# Altium PCB 2014_FDP_PCB.PcbDoc (part 1 of 4)
Units mil, origin at the board's own origin, x right, y up, seen from the top; angles counter-clockwise.
Board outline 4330.71 x 10236.22 mil, 4 copper layers (1-TOP, 2-GND, 3-SIGNAL, 4-BOT); 394 components, 292 nets, 1439 pads, 525 vias.
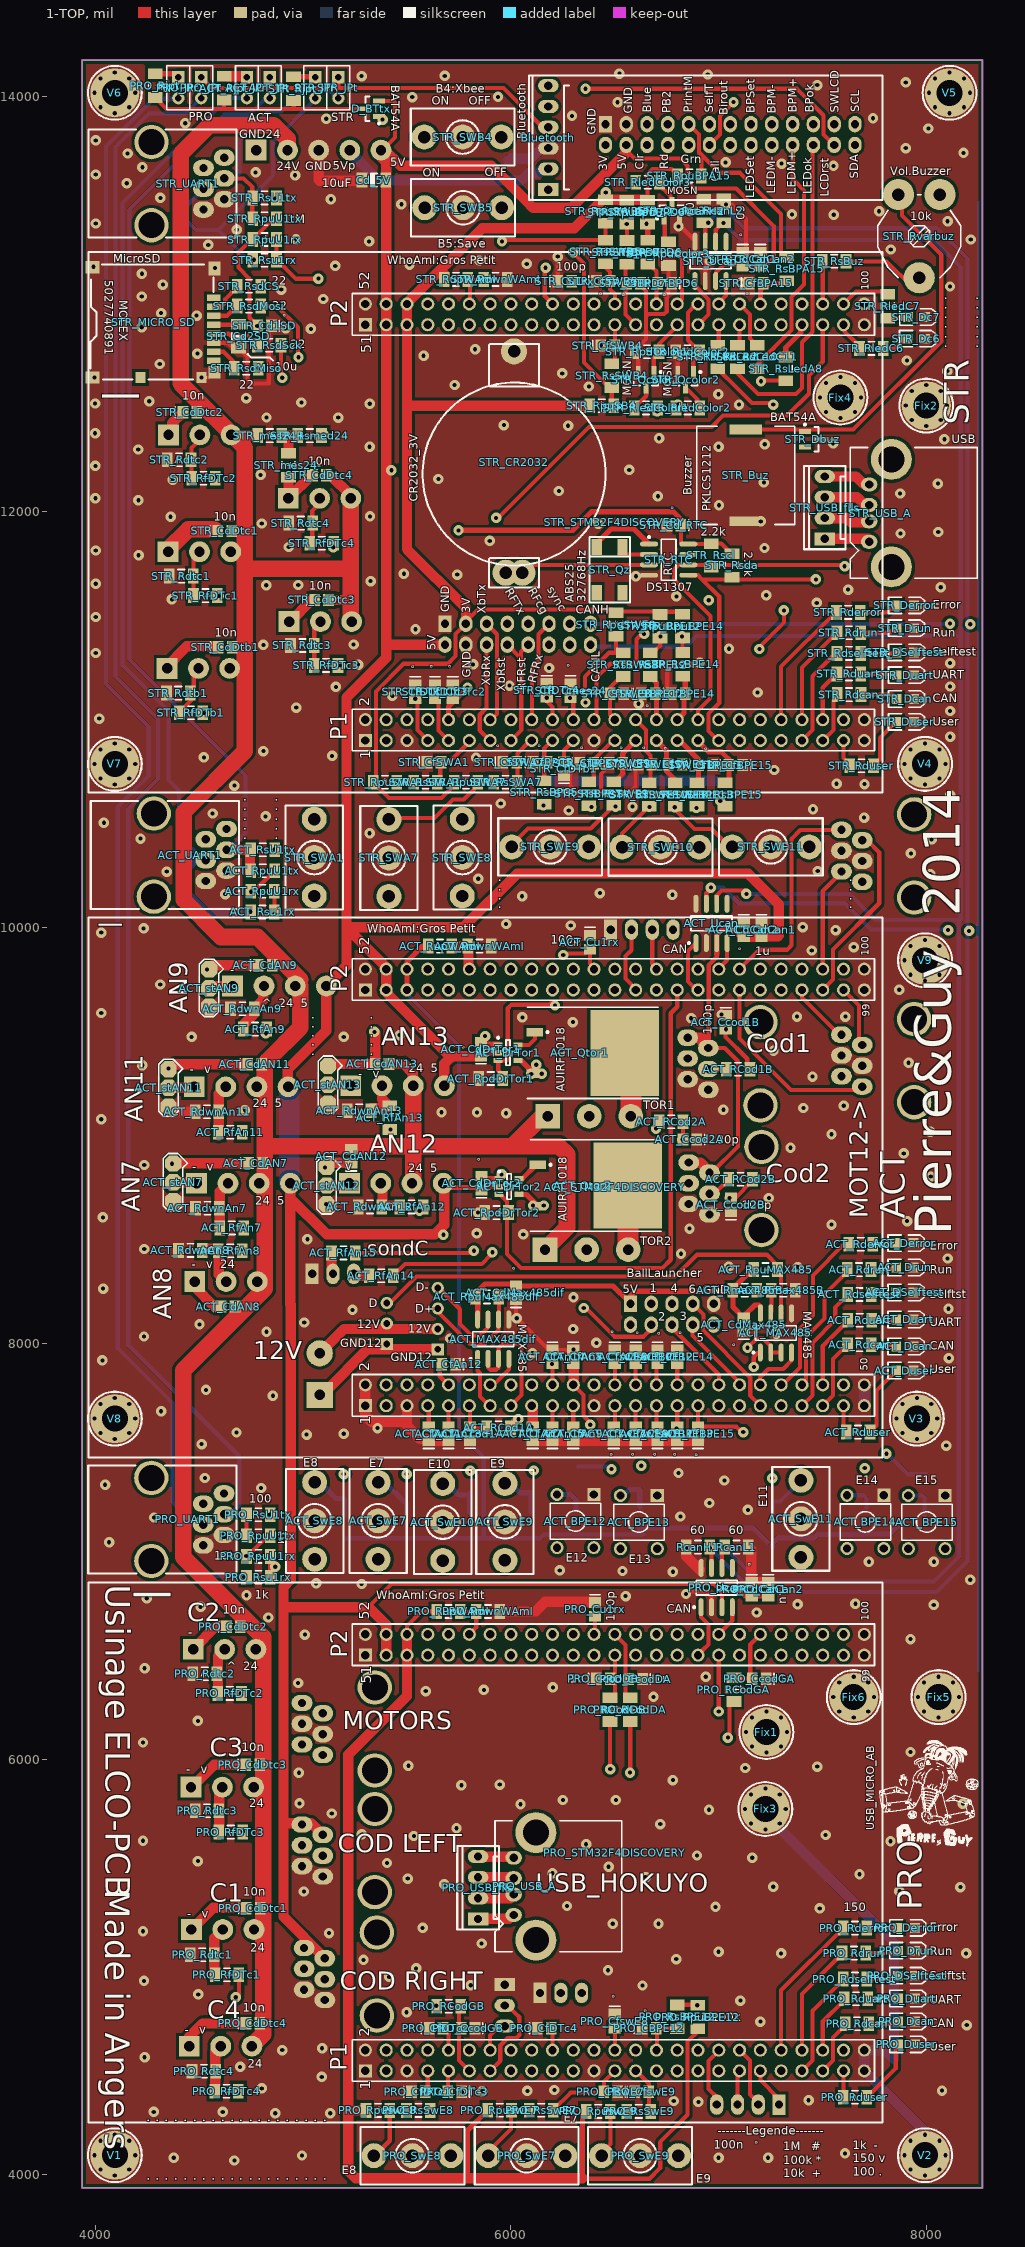
[diagram p0: 1-TOP view]
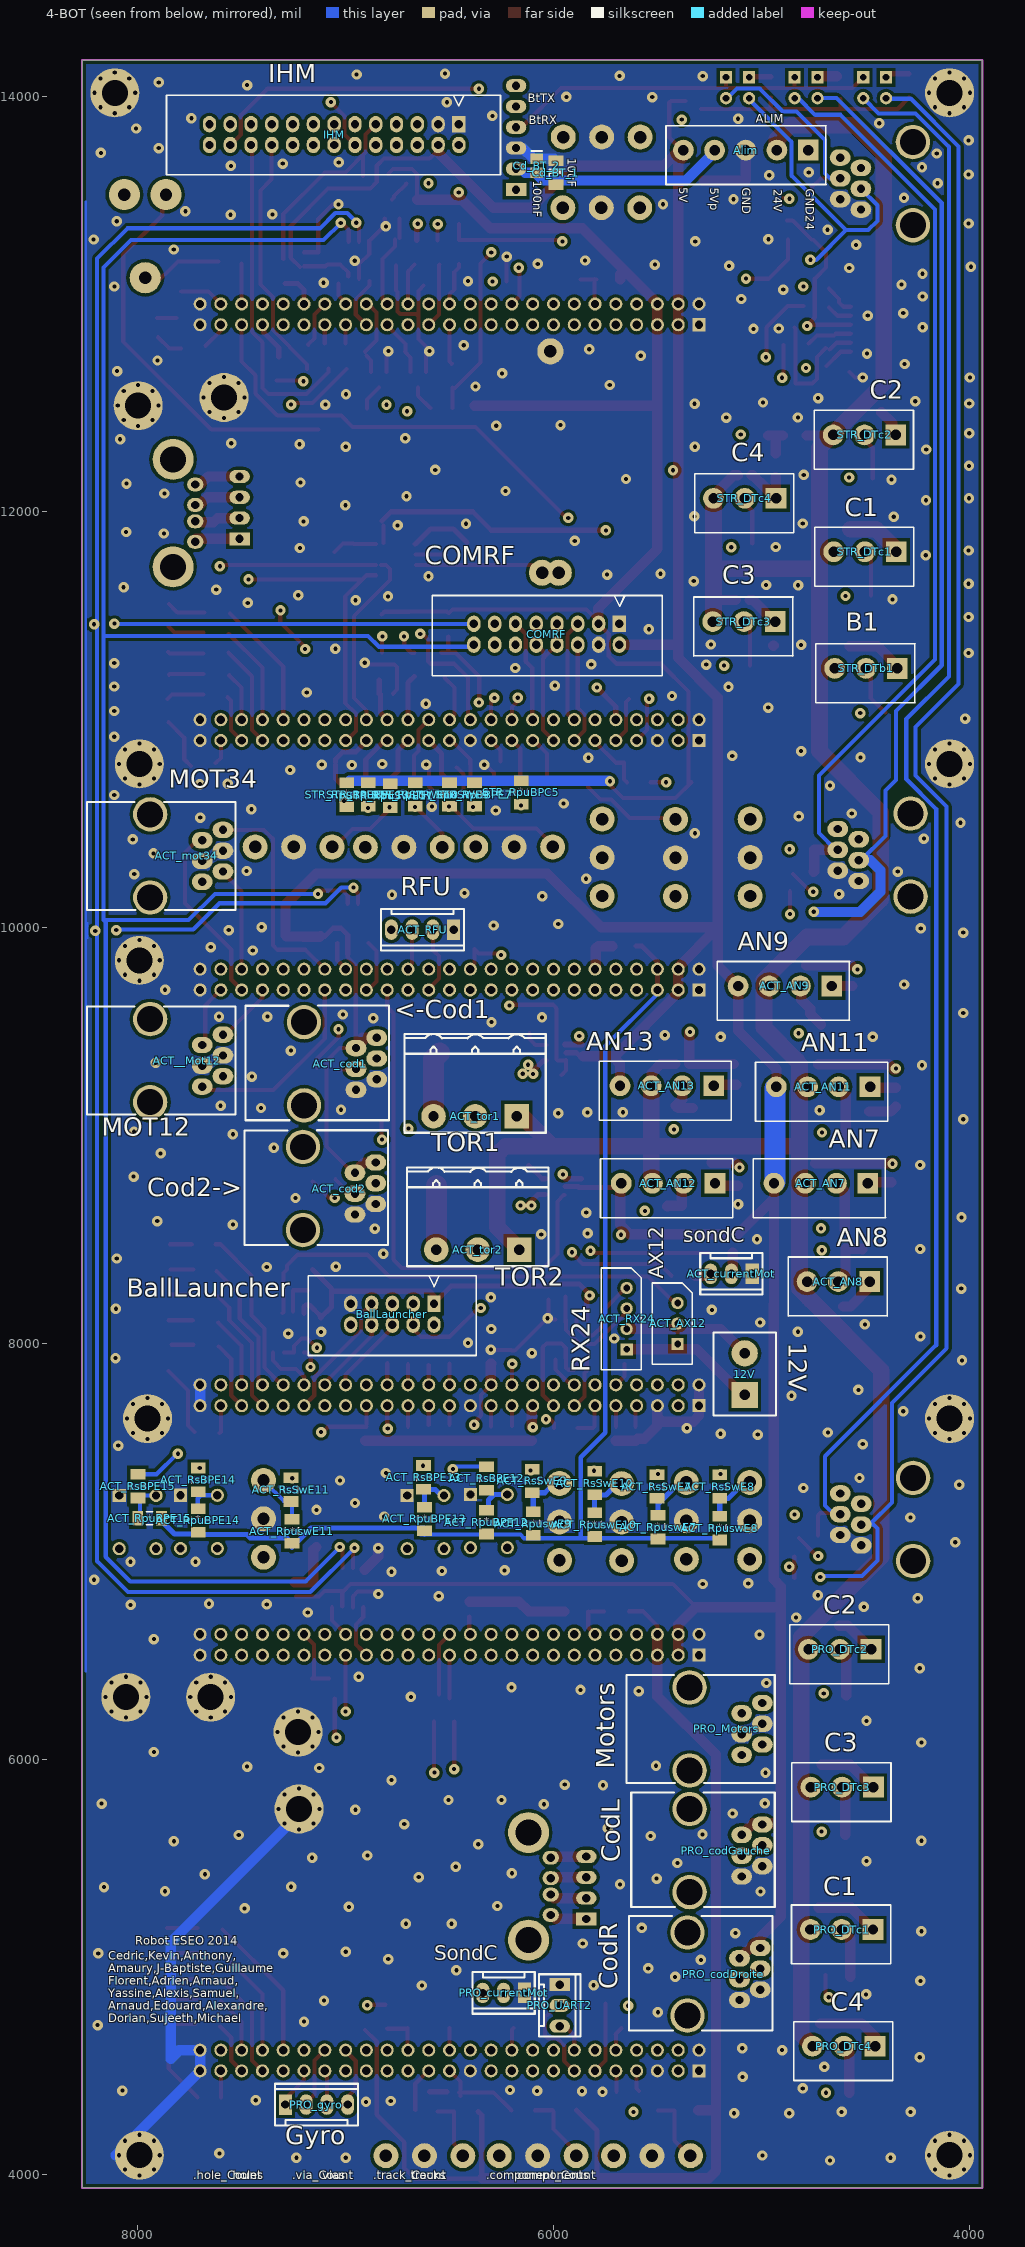
[diagram p1: 4-BOT view, seen from below]
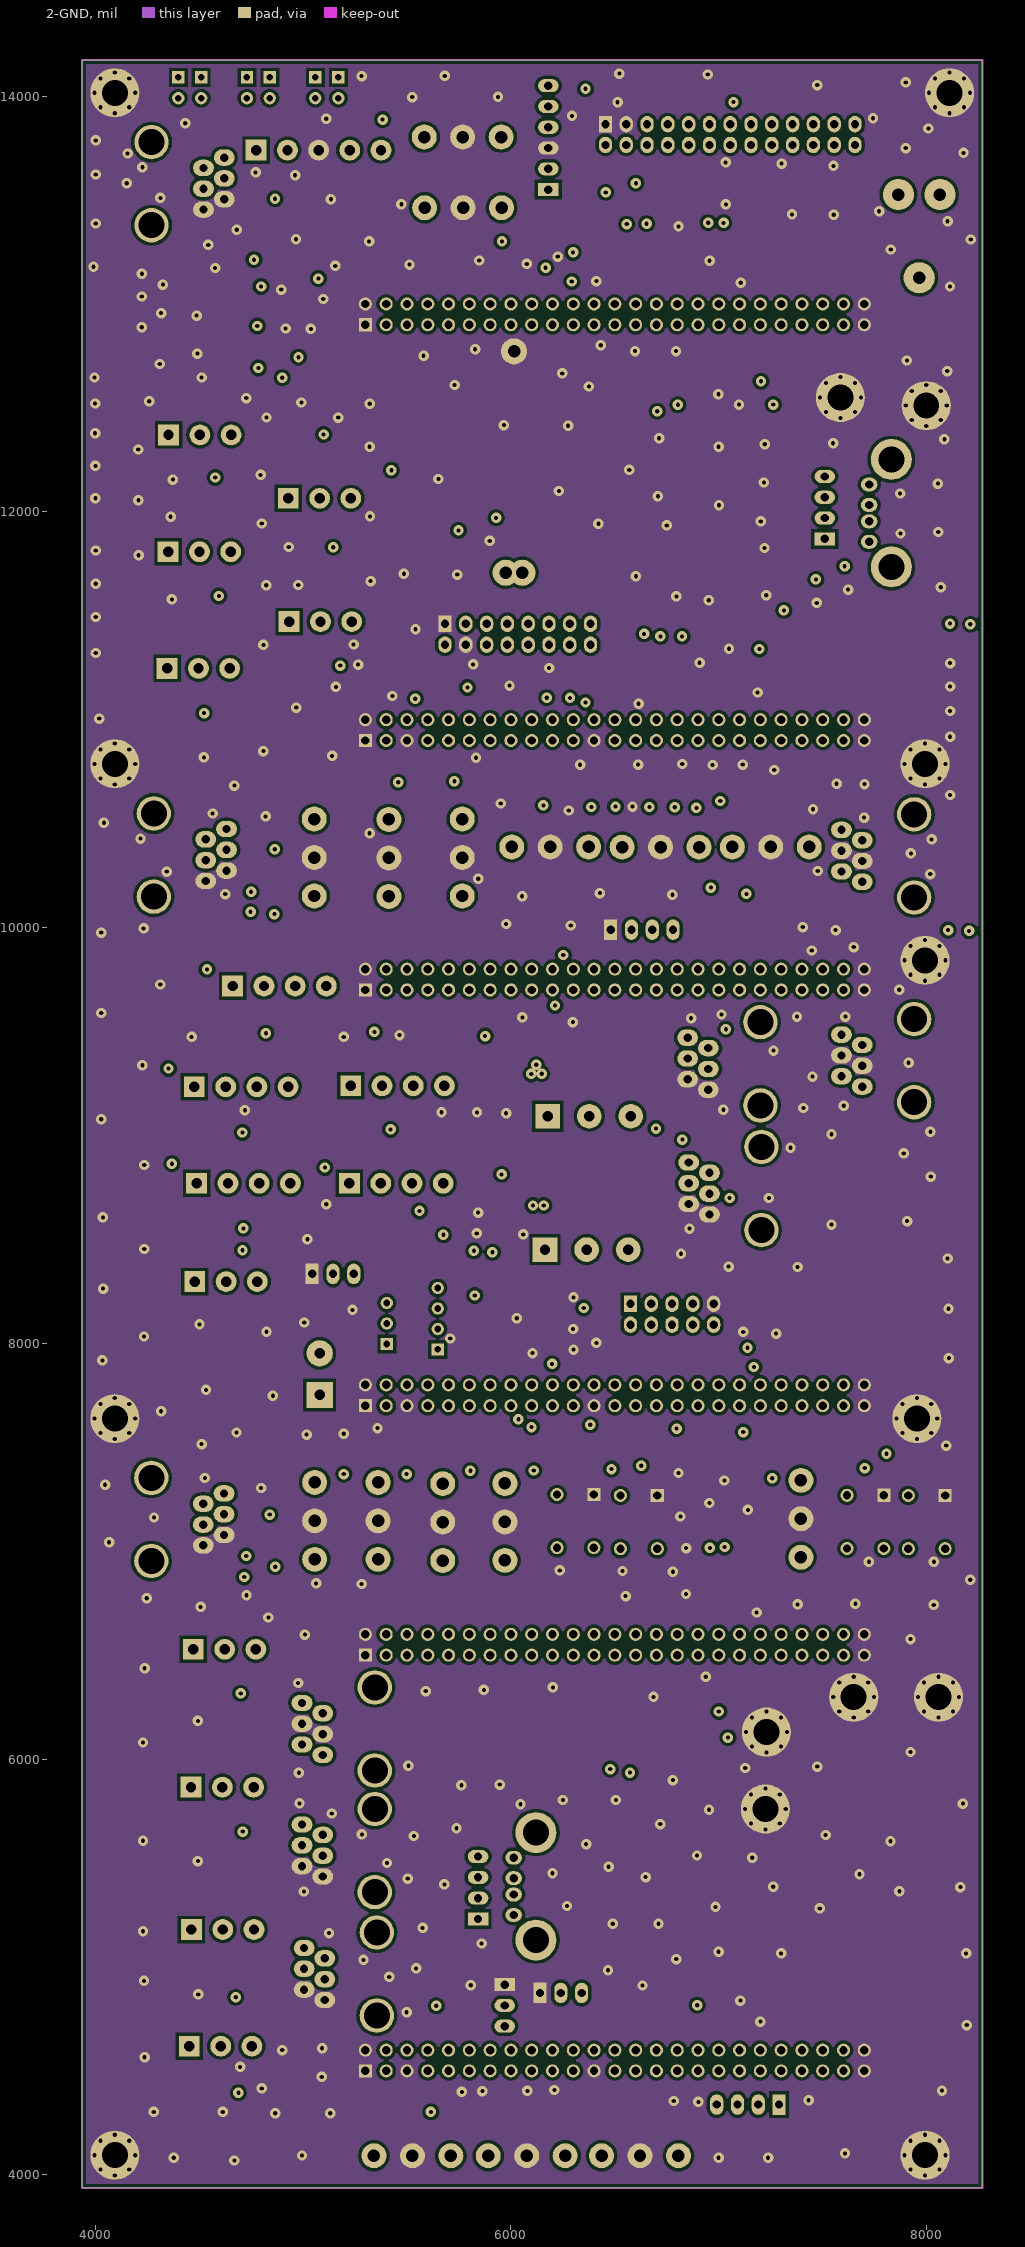
[diagram p2: 2-GND]
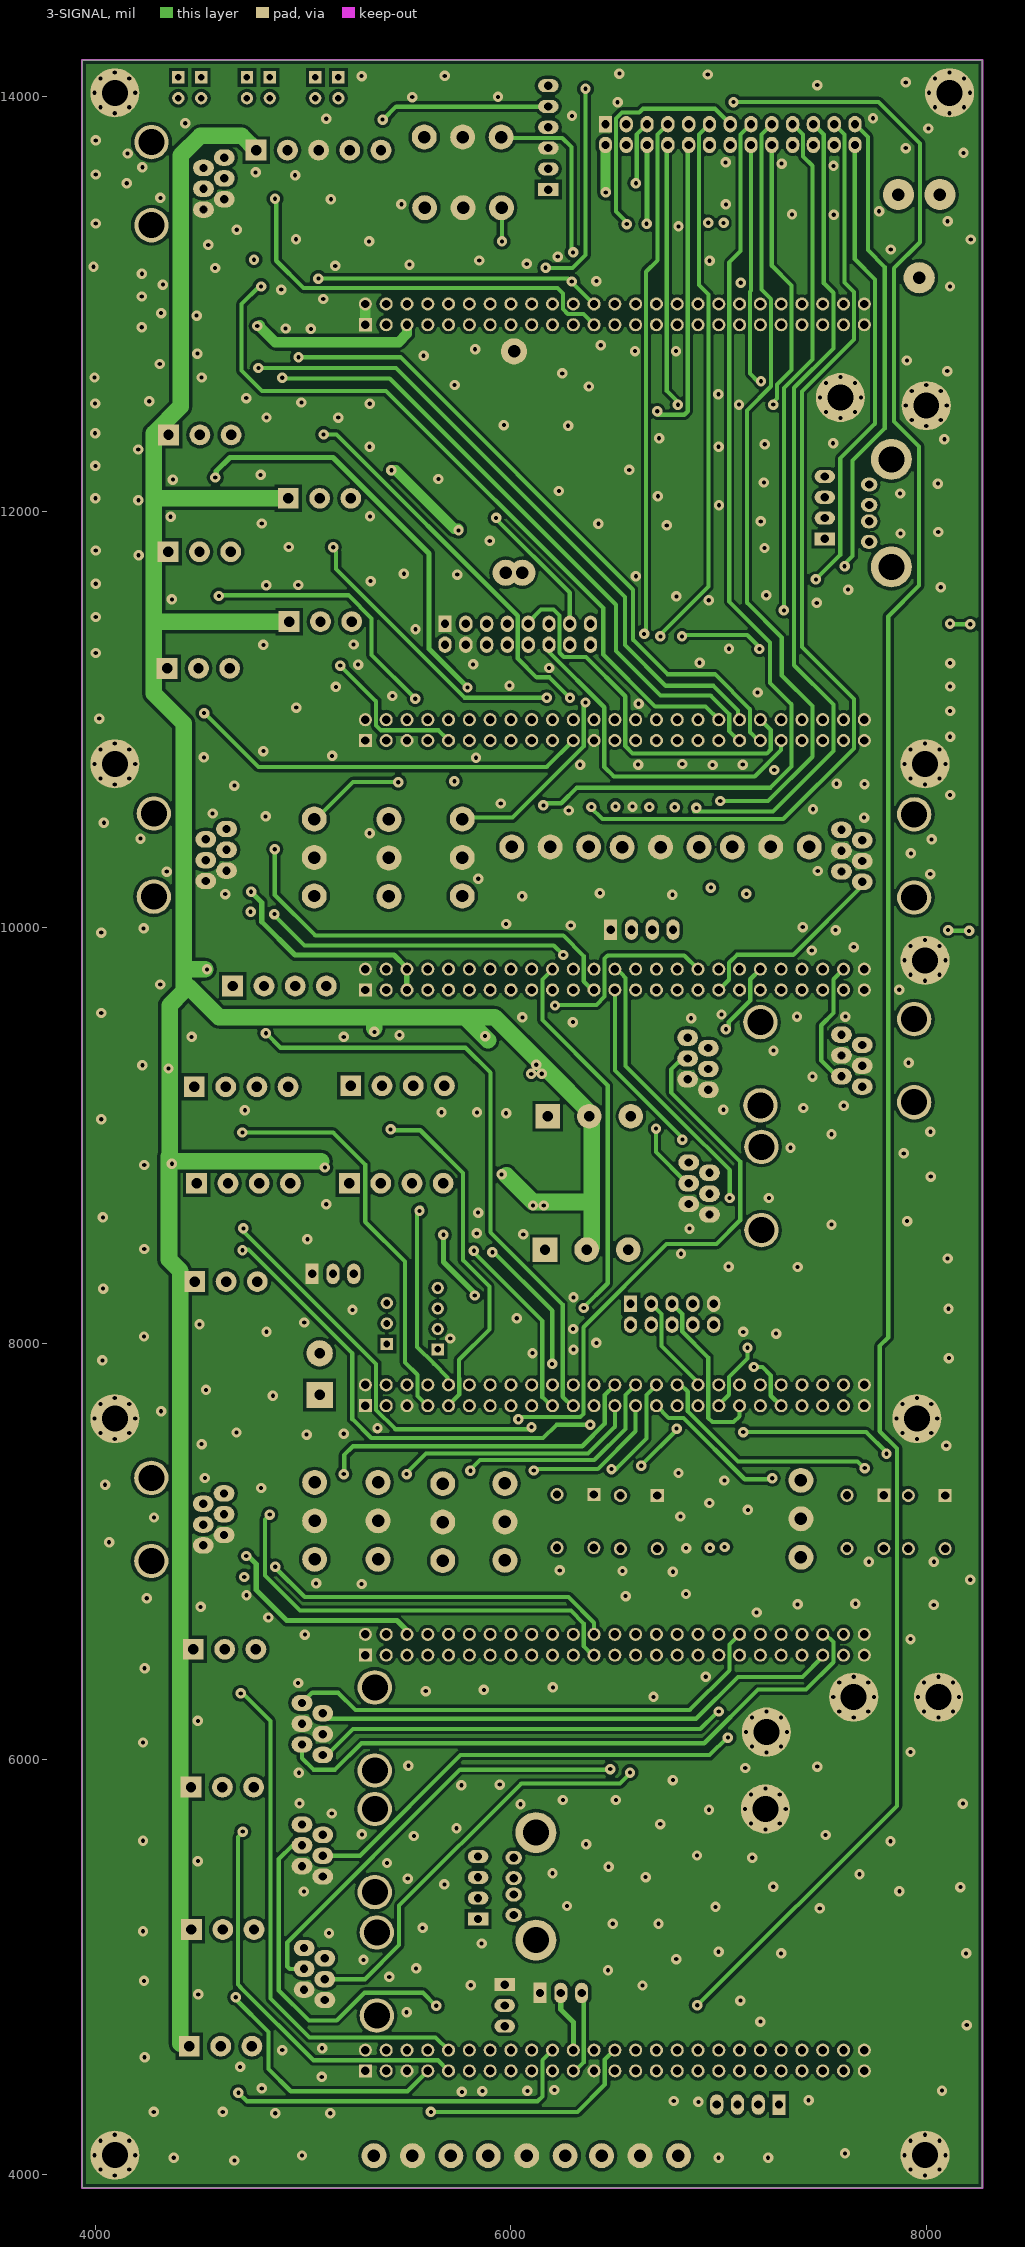
[diagram p3: 3-SIGNAL]
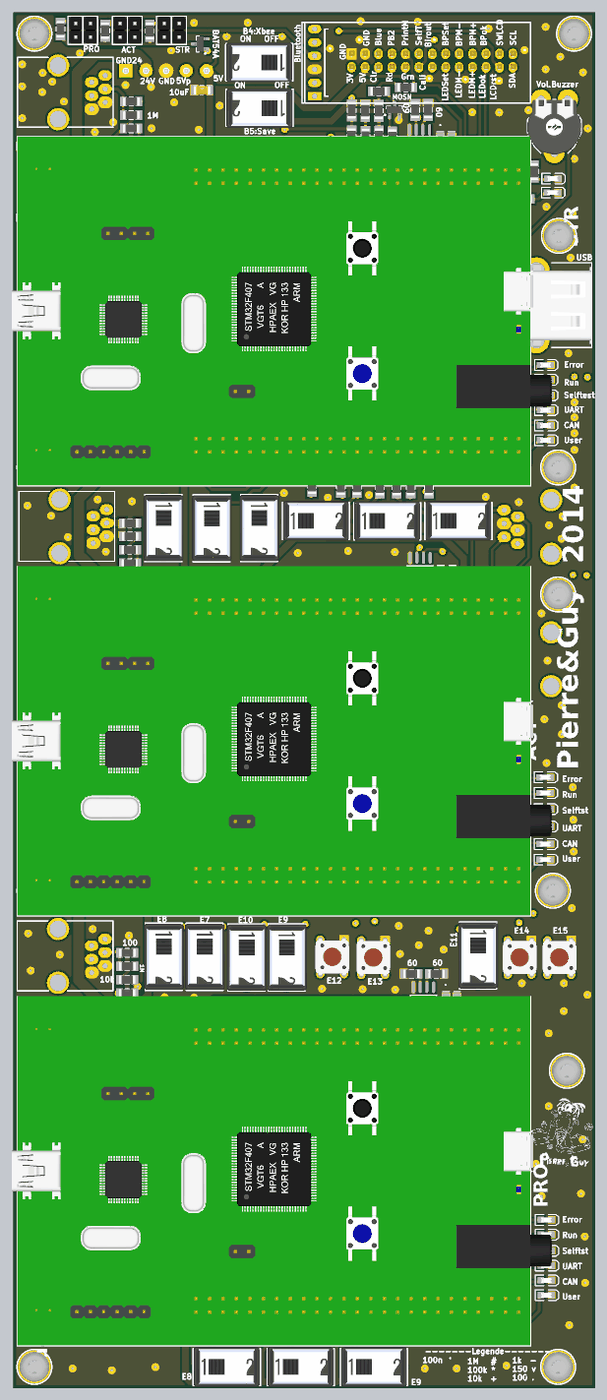
[diagram p7: 3D render of the assembled board from above, using the file's embedded part models]
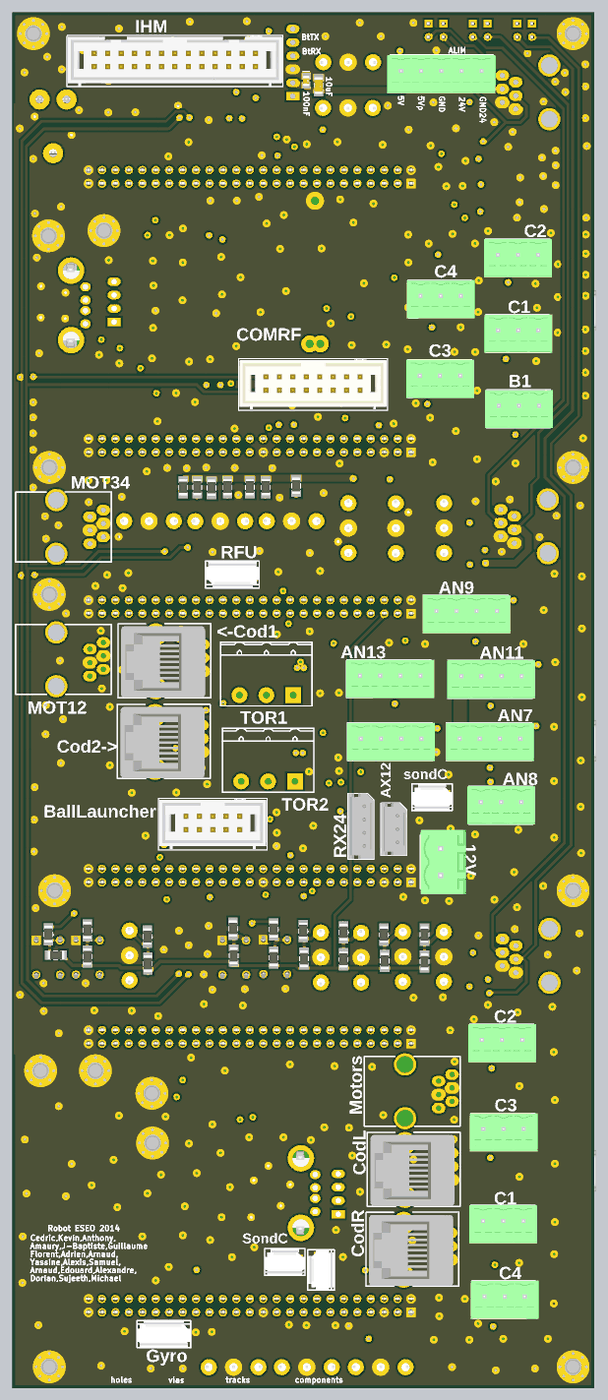
[diagram p8: 3D render of the assembled board from below, using the file's embedded part models]

## Layer stack, top to bottom
1-TOP: signal copper 1.4
Dielectric: core 12.6, FR-4, Dk 4.8
2-GND: signal copper 1.4
Dielectric: prepreg 12.6, FR-4, Dk 4.8
3-SIGNAL: signal copper 1.4
Dielectric: core 12.6, FR-4, Dk 4.8
4-BOT: signal copper 1.4

## Board outline
3937.01,3937.01 3937.01,14173.23 8267.72,14173.23 8267.72,3937.01

## Design rules (kind name [scope] priority, off if disabled: settings)
Clearance Clearance_1 [InNamedPolygon('2-GND') Or  InNamedPolygon('1-GND') Or  InNamedPolygon('4-GND_STRAT') Or  InNamedPolygon('3-GND') Or  InNamedPolygon('4-GND_SUP') Or  InNamedPolygon('4-GND_ACT') Or  InNamedPolygon('4-GND') Or  InNamedPolygon('4-GND_PROP')] p1: gap=15
Clearance [All] p2: gap=7
FabricationTestpoint [(IsPad And (OnTopLayer Or OnBottomLayer))] p1: side=3 testpointundercomponent=TRUE minsize=40 maxsize=100 preferedsize=60 minholesize=0 maxholesize=40 preferedholesize=32 testpointgrid=1 allowsidetop=TRUE allowsidebottom=TRUE usegrid=TRUE gridtolerance=0.01
HoleSize [All] p1: absolutevalues=TRUE maxlimit=200 minlimit=1 maxpercent=80.000 minpercent=20.000
PlaneConnect [All] p1: planeconnectstyle=Direct reliefexpansion=20 reliefentries=4 reliefconductorwidth=10 reliefairgap=10
PolygonConnect [All] p1: connectstyle=Direct reliefconductorwidth=10 reliefentries=4 polygonreliefangle="90 Angle"
RoomDefinition Strategie [InComponentClass('Strategie')] p1: confinementstyle=ConfineIn formatcopy=TRUE lockcomponents=FALSE outline 8313,3992 12823,3992 12823,4809 8313,4809
RoomDefinition Actionneur [InComponentClass('Actionneur')] p2: confinementstyle=ConfineIn formatcopy=TRUE lockcomponents=FALSE outline -160.99,-399.99 742.01,-399.99 742.01,208.01 -160.99,208.01
RoomDefinition Propulsion [InComponentClass('Propulsion')] p3: confinementstyle=ConfineIn formatcopy=TRUE lockcomponents=FALSE outline -1062.99,-1062.99 937.01,-1062.99 937.01,-62.99 -1062.99,-62.99
RoomDefinition 2014_FDP_SCHEMA [InComponentClass('2014_FDP_SCHEMA')] p4: confinementstyle=ConfineIn formatcopy=TRUE lockcomponents=FALSE outline -1062.99,-1062.99 937.01,-1062.99 937.01,-62.99 -1062.99,-62.99
RoutingVias [All] p1: holewidth=28 width=50 viastyle="Through Hole" minholewidth=28 minwidth=50 maxholewidth=28 maxwidth=50
SilkscreenOverComponentPads [All] p1: minsilkscreentomaskgap=10
SolderMaskExpansion [All] p1: expansion=4
Width [All] p1: maxlimit=200 minlimit=10 preferedwidth=15
24 further rules are at their usual default settings.

## Classes and differential pairs
component class Actionneur: ACT__Mot12 ACT_AN7 ACT_AN8 ACT_AN9 ACT_AN11 ACT_AN12 ACT_AN13 ACT_AX12 ACT_BPE12 ACT_BPE13 ACT_BPE14 ACT_BPE15 ACT_Ccod1A ACT_Ccod1B ACT_Ccod2A ACT_Ccod2B ACT_CdAN7 ACT_CdAN8 ACT_CdAN9 ACT_CdAN11 ACT_CdAN12 ACT_CdAN13 ACT_CdCan1 ACT_CdCan2 ACT_CdDrTor1 ACT_CdDrTor2 ACT_CdMax485 ACT_CdMax485dif ACT_CfAn7 ACT_CfAn8 ACT_CfAn9 ACT_CfAn11 ACT_CfAn12 ACT_CfAn13 ACT_CfAn14 ACT_CfAn15 ACT_CfBPE12 ACT_CfBPE13 ACT_CfBPE14 ACT_CfBPE15 ACT_CfswE7 ACT_CfswE8 ACT_CfswE9 ACT_CfswE10 ACT_CfswE11 ACT_cod1 ACT_cod2 ACT_Cu1rx ACT_currentMot ACT_Dcan ACT_Derror ACT_DrTor1 ACT_DrTor2 ACT_Drun ACT_DSelftest ACT_Duart ACT_Duser ACT_MAX485 ACT_MAX485dif ACT_mot34 ACT_Qtor1 ACT_Qtor2 ACT_RCod1A ACT_RCod1B ACT_RCod2A ACT_RCod2B ACT_Rdcan ACT_Rderror ACT_Rdrun ACT_Rdselftest ACT_Rduart ACT_Rduser ACT_RdwnAn7 ACT_RdwnAn8 ACT_RdwnAn9 ACT_RdwnAn11 ACT_RdwnAn12 ACT_RdwnAn13 ACT_RdwnWAmI ACT_RfAn7 ACT_RfAn8 ACT_RfAn9 ACT_RfAn11 ACT_RfAn12 ACT_RfAn13 ACT_RfAn14 ACT_RfAn15 ACT_RFU ACT_Rmax485B+ ACT_Rmax485B- ACT_RpdDrTor1 ACT_RpdDrTor2 ACT_RpuBPE12 ACT_RpuBPE13 ACT_RpuBPE14 ACT_RpuBPE15 ACT_RpuMAX485 ACT_RpuMax485dif ACT_RpuswE7 ACT_RpuswE8 ACT_RpuswE9 ACT_RpuswE10 ACT_RpuswE11 ACT_RpuU1rx ACT_RpuU1tx ACT_RsBPE12 ACT_RsBPE13 ACT_RsBPE14 ACT_RsBPE15 ACT_RsSwE7 ACT_RsSwE8 ACT_RsSwE9 ACT_RsSwE10 ACT_RsSwE11 ACT_Rsu1rx ACT_RsU1tx ACT_RupWAmI ACT_RX24 ACT_stAN7 ACT_stAN9 ACT_stAN11 ACT_stAN12 ACT_stAN13 ACT_STM32F4DISCOVERY ACT_SwE7 ACT_SwE8 ACT_SwE9 ACT_SwE10 ACT_SwE11 ACT_tor1 ACT_tor2 ACT_UART1 ACT_Ucan C? Cd? CdDtc4 CdMax485 CdMax485dif CfDTc1 Cfsw? CfswE8 J? J_DT? J_DTc4 J_gyro J_Mot12 Jcod1 Jcod2 Jmot34 KD? Qtor1 Qtor2 R? RfDT? RfDTc2 RpdTor1 RpdTor2 Rpusw? RpuswE7 RsBPE12 RsTor1 RsTor2 S? Stor1 Stor2 Sw? U?
component class Strategie: C? Cd? CdCan1 CdCan2 CdDtc4 CfDTc1 Cfsw? CfswE8 Cu1rx D11 D12 D14 D15 D? Dcan Derror Drun DSelftest Duart Duser J3 J15 J18 J19 J21 J24 J31 J_DT? J_DTc3 J_UART1 KD? LS? P3 P? Qcolor1 Qcolor2 R5 R? RcanB? Rdcan Rderror Rdrun Rdselftest Rduart Rduser RdwnWAmI RfDT? RfDTc2 RledColor1 RledColor2 RpdColor1 RpdColor2 Rpusw? RpuswE7 RpuU1rx RpuU1tx RsSwE9 Rsu1rx RsU1tx RupWAmI ST4 ST? STR_Buz STR_Cd1SD STR_Cd2SD STR_Cd_RTC STR_CdCan1 STR_CdCan2 STR_CdDtb1 STR_CdDtc1 STR_CdDtc2 STR_CdDtc3 STR_CdDtc4 STR_CfBPA15 STR_CfBPC5 STR_CfBPD6 STR_CfBPD7 STR_CfBPE7 STR_CfBPE12 STR_CfBPE13 STR_CfBPE14 STR_CfBPE15 STR_CfDTb1 STR_CfDTc1 STR_CfDTc2 STR_CfDTc3 STR_CfDTc4 STR_CfSWA1 STR_CfSWA7 STR_CfSWB4 STR_CfSWB5 STR_CfSWE8 STR_CfSWE9 STR_CfSWE10 STR_CfSWE11 STR_Cmes24 STR_CR2032 STR_Cu1rx STR_Dbuz STR_Dc6 STR_Dc7 STR_Dcan STR_Derror STR_Drun STR_DSelftest STR_DTb1 STR_DTc1 STR_DTc2 STR_DTc3 STR_DTc4 STR_Duart STR_Duser STR_mes24+ STR_mes24- STR_MICRO_SD STR_Qcolor1 STR_Qcolor2 STR_Qcolor3 STR_Qz STR_Rbuz STR_Rdcan STR_Rderror STR_Rdrun STR_Rdselftest STR_Rdtb1 STR_Rdtc1 STR_Rdtc2 STR_Rdtc3 STR_Rdtc4 STR_Rduart STR_Rduser STR_RdwnWAmI STR_RfDTb1 STR_RfDTc1 STR_RfDTc2 STR_RfDTc3 STR_RfDTc4 STR_RledC6 STR_RledC7 STR_RledColor1 STR_RledColor2 STR_RledColor3 STR_RpdColor1 STR_RpdColor2 STR_RpdColor3 STR_RpuBPA15 STR_RpuBPC5 STR_RpuBPD6 STR_RpuBPD7 STR_RpuBPE7 STR_RpuBPE12 STR_RpuBPE13 STR_RpuBPE14 STR_RpuBPE15 STR_RpuSB4 STR_RpuSWA1 STR_RpuSWA7 STR_RpuSWB5 STR_RpuSWE8 STR_RpuSWE9 STR_RpuSWE10 STR_RpuSWE11 STR_RpuU1rx STR_RpuU1tx STR_RsBPA15 STR_RsBPC5 STR_RsBPD6 STR_RsBPD7 STR_RsBPE7 STR_RsBPE12 STR_RsBPE13 STR_RsBPE14 STR_RsBPE15 STR_RsBuz STR_Rscl STR_Rsda STR_RsdCS STR_RsdMiso STR_RsdMosi STR_RsdSck STR_RsLedA8 STR_RsLedC10 STR_RsLedC11 STR_RsLedC12 STR_Rsmed24 STR_RsSWA1 STR_RsSWA7 STR_RsSWB4 STR_RsSWB5 STR_RsSWE8 STR_RsSWE9 STR_RsSWE10 STR_RsSWE11 STR_Rsu1rx STR_RsU1tx STR_RTC STR_RupWAmI STR_Rvarbuz STR_STM32F4DISCOVERY STR_SWA1 STR_SWA7 STR_SWB4 STR_SWB5 STR_SWE8 STR_SWE9 STR_SWE10 STR_SWE11 STR_UART1 STR_Ucan TR1 U7 Ucan
component class Propulsion: CBPE12 CdDtc1 CdDtc2 CdDtc3 CdDtc4 CfDTc1 CfDTc2 CfDTc3 CfDTc4 CfswE7 CfswE8 CfswE9 J? J_DTc1 J_DTc2 J_DTc3 J_DTc4 J_gyro J_UART2 JcodDroite JcodGauche KD? PRO_CBPE12 PRO_CcodDA PRO_CcodDB PRO_CcodGA PRO_CcodGB PRO_CdCan1 PRO_CdCan2 PRO_CdDtc1 PRO_CdDtc2 PRO_CdDtc3 PRO_CdDtc4 PRO_CfDTc1 PRO_CfDTc2 PRO_CfDTc3 PRO_CfDTc4 PRO_CfswE7 PRO_CfswE8 PRO_CfswE9 PRO_codDroite PRO_codGauche PRO_Cu1rx PRO_currentMot PRO_Dcan PRO_Derror PRO_Drun PRO_DSelftest PRO_DTc1 PRO_DTc2 PRO_DTc3 PRO_DTc4 PRO_Duart PRO_Duser PRO_gyro PRO_Motors PRO_RCodDA PRO_RCodDB PRO_RCodGA PRO_RCodGB PRO_Rdcan PRO_Rderror PRO_Rdrun PRO_Rdselftest PRO_Rdtc1 PRO_Rdtc2 PRO_Rdtc3 PRO_Rdtc4 PRO_Rduart PRO_Rduser PRO_RdwnWAmI PRO_RfDTc1 PRO_RfDTc2 PRO_RfDTc3 PRO_RfDTc4 PRO_RpuBPE12 PRO_RpuswE7 PRO_RpuswE8 PRO_RpuswE9 PRO_RpuU1rx PRO_RpuU1tx PRO_RsBPE12 PRO_RsSwE7 PRO_RsSwE8 PRO_RsSwE9 PRO_Rsu1rx PRO_RsU1tx PRO_RupWAmI PRO_STM32F4DISCOVERY PRO_SwE7 PRO_SwE8 PRO_SwE9 PRO_UART1 PRO_UART2 PRO_Ucan Rdtc1 Rdtc2 Rdtc3 Rdtc4 RfDTc1 RfDTc2 RfDTc3 RfDTc4 RpuBPE12 RpuswE7 RpuswE8 RpuswE9 RsBPE12 RsSwE7 RsSwE8 RsSwE9 SwE7 SwE8 SwE9
component class 2014_FDP_SCHEMA: 12V ACT_JPr ACT_JPt ACT_Rjpt Alim BallLauncher Bluetooth Cd_5V Cd_BT_1 Cd_BT_2 COMRF D_BTtx Fix1 Fix2 Fix3 Fix4 Fix5 Fix6 IHM PRO_JPr PRO_JPt PRO_Rjpt PRO_USB_A PRO_USB_fils RcanH1 RcanH2 RcanL1 RcanL2 STR_JPr STR_JPt STR_Rjpt STR_USB_A STR_USB_fils V1 V2 V3 V4 V5 V6 V7 V8 V9
